# Altium PCB pcb_.PcbDoc (continued)
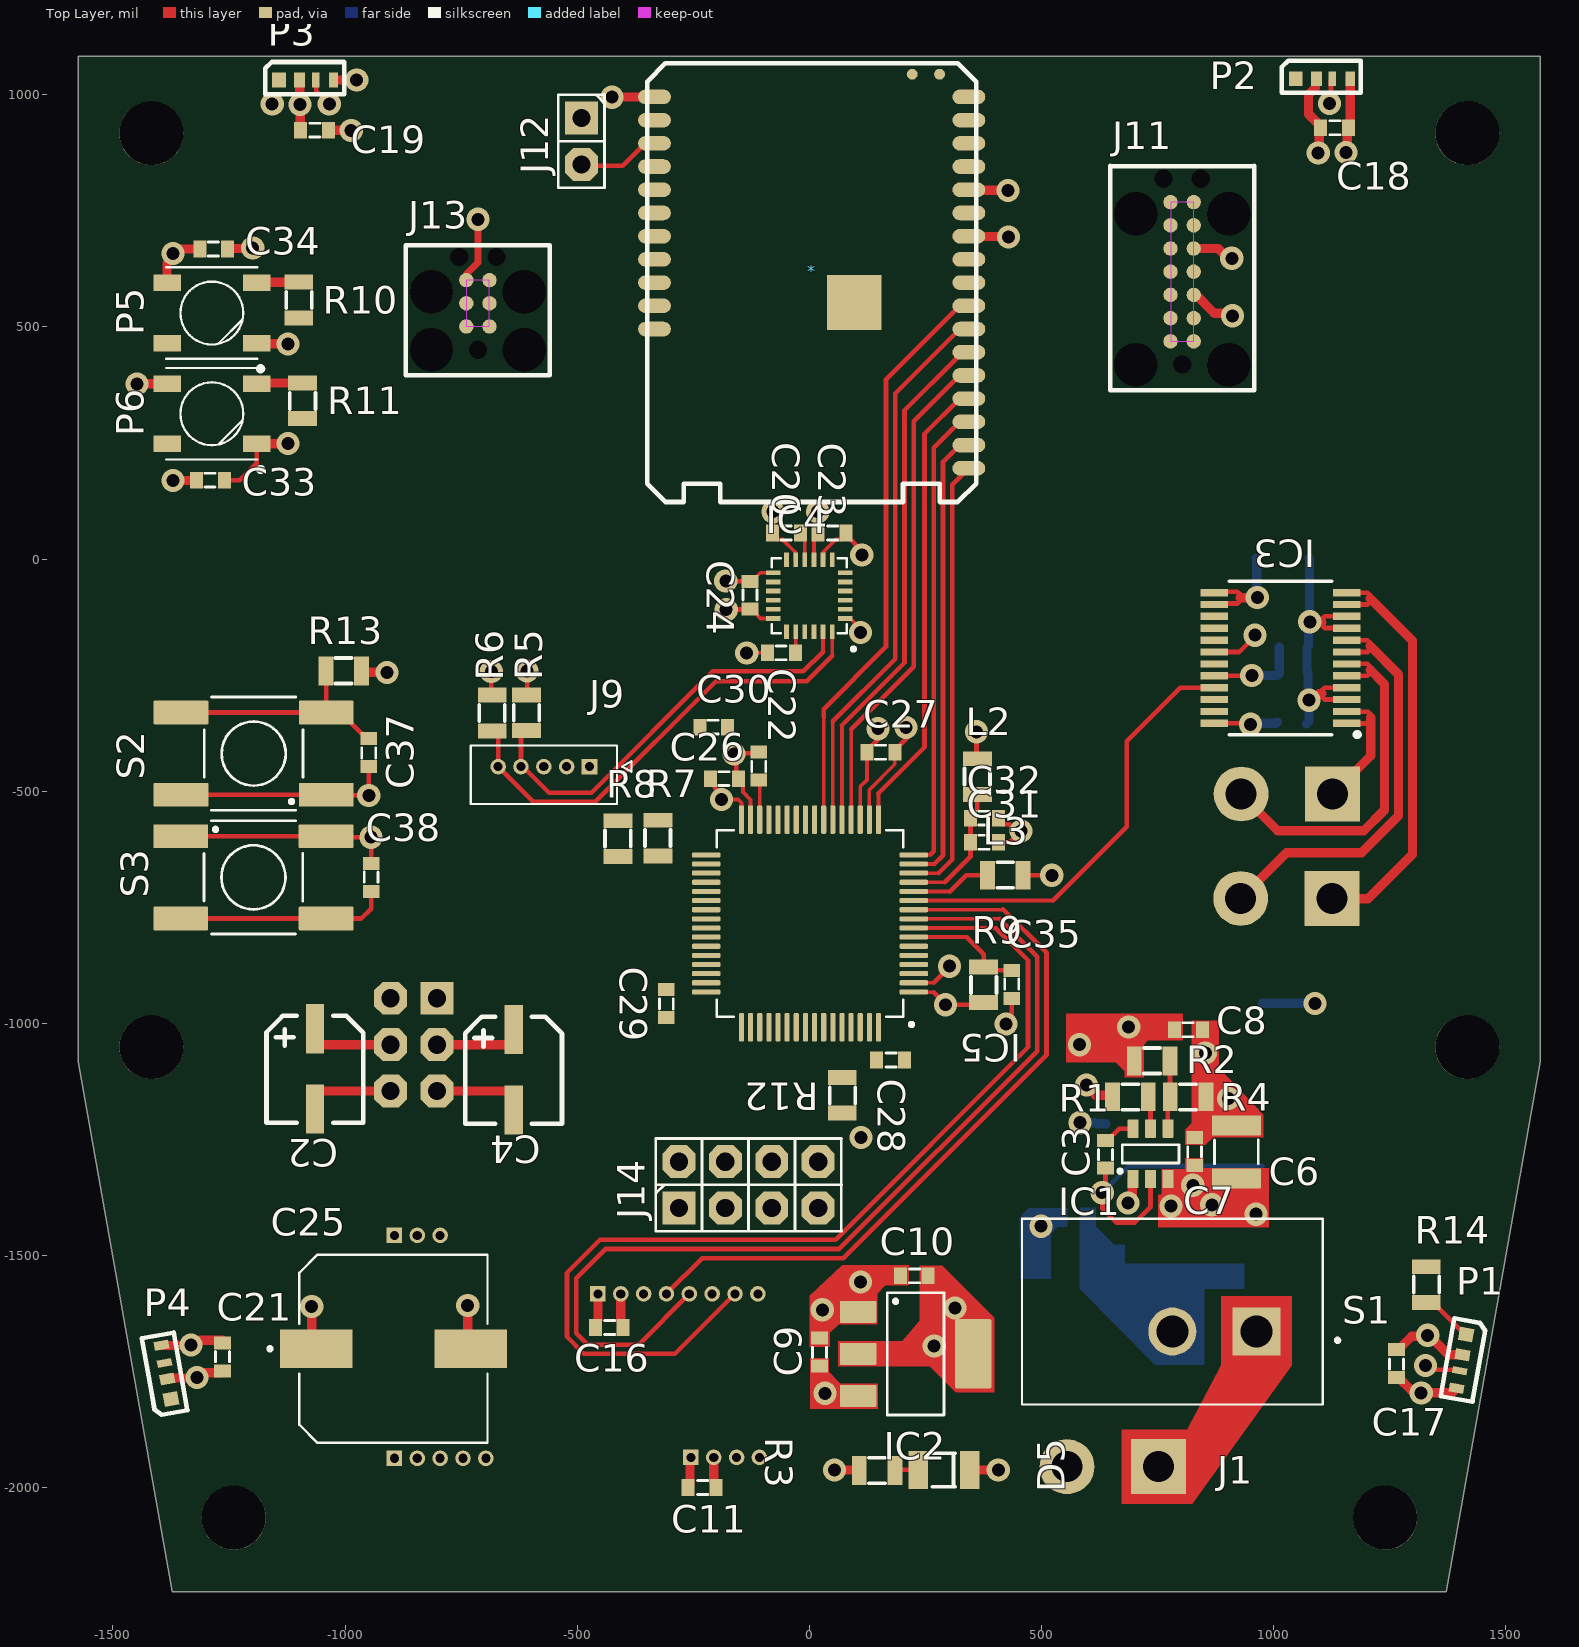
[diagram p0: Top Layer view]
## Footprints (in the part's own frame and the unit in brackets; to place one, negate y for a bottom-side part, rotate by r counter-clockwise, add the part's x,y. Pads: shape width x height; smd on the part's side, far side on the other; paste and mask are expansions set on the pad)
0603 [mil]
  rect 28x36 smd: 1(-30,0) 2(30,0)
  silkscreen extent -12,-15 10,15, body extent -31,-16 32,16, height 12
0805 [mil]
  rect 32x62 smd: 1(-38.5,0) 2(38.5,0)
  silkscreen extent -18,-27 18,28, body extent -39,-25 39,25, height 31
61300621121 [mm]
  rect 1.8x1.8 hole 1: 1(0,0)
  oct 1.8x1.8 hole 1: 2(0,2.54) 3(2.54,0) 4(2.54,2.54) 5(5.08,0) 6(5.08,2.54)
  silkscreen extent -1.27,-1.27 6.35,3.81, body extent -1.27,-1.27 6.35,3.81, height 8.57
61300821121 [mm]
  rect 1.8x1.8 hole 1: 1(0,0)
  oct 1.8x1.8 hole 1: 2(0,2.54) 3(2.54,0) 4(2.54,2.54) 5(5.08,0) 6(5.08,2.54) 7(7.62,0) 8(7.62,2.54)
  silkscreen extent -1.27,-1.27 8.89,3.81, body extent -1.27,-1.27 8.89,3.81, height 9.37
C_1210_A [mm] "Chip Capacitor, 2-Leads, Body 3.20x2.50mm, IPC High Density"
  rrect10% 1.1x2.7 smd: 1(-1.45,0) 2(1.45,0)
  silkscreen extent -0.65,-1.2 0.65,1.2, body extent -1.7,-1.35 1.7,1.35, height 1.35
HA1C470WR [mm] "PCE4190TR-ND"
  rect 1x2.7 smd: 1(0,-2.2) 2(0,2.2)
  silkscreen extent -2.65,-2.9 2.65,2.95, body extent -2.76,-3.28 2.76,3.23, height 6.15
Header1x2_254 [mm]
  rect 1.8x1.8 hole 1: 1(-1.27,0)
  oct 1.8x1.8 hole 1: 2(1.27,0)
  silkscreen extent -2.54,-1.27 2.54,1.27, body extent -2.54,-1.27 2.54,1.27, height 8.54
LED_1206 [mil]
  rect 42x82 smd: A(55.5,0) K(-55.5,0)
  silkscreen extent -25,-36 25,36, body extent -62,-32 64,31, height 43
MPU_6050 [mm]
  rect 0.79x0.26 smd: 1(-1.97,1.25) 2(-1.97,0.75) 3(-1.97,0.25) 4(-1.97,-0.25) 5(-1.97,-0.75) 6(-1.97,-1.25) 13(1.97,-1.25) 14(1.97,-0.75) 15(1.97,-0.25) 16(1.97,0.25) 17(1.97,0.75) 18(1.97,1.25)
  rect 0.26x0.79 smd: 7(-1.25,-1.97) 8(-0.75,-1.97) 9(-0.25,-1.97) 10(0.25,-1.97) 11(0.75,-1.97) 12(1.25,-1.97) 19(1.25,1.97) 20(0.75,1.97) 21(0.25,1.97) 22(-0.25,1.97) 23(-0.75,1.97) 24(-1.25,1.97)
  silkscreen extent -2.51,-2.05 2.05,3.02, body extent -2,-2 2,2, height 0.93
PicoBlade_3_Vertical [mm]
  rect 0.85x0.85 / inner round 0.85 / far side rect 0.85x0.85 hole 0.5 mask+0.076: 1(0,0)
  round 0.85 hole 0.5 mask+0.076: 2(-1.25,0) 3(-2.5,0)
  silkscreen extent -4,-2.05 2.3,1.15, body extent -4.02,-2.11 1.48,1.09, height 4.28
PicoBlade_4_Vertical [mm]
  rect 0.85x0.85 / inner round 0.85 / far side rect 0.85x0.85 hole 0.5 mask+0.076: 1(0,0)
  round 0.85 hole 0.5 mask+0.076: 2(-1.25,0) 3(-2.5,0) 4(-3.75,0)
  silkscreen extent -5.33,-2.05 2.3,1.15, body extent -5.28,-2.03 1.47,1.17, height 4.28
PicoBlade_5_Vertical [mm]
  rect 0.85x0.85 / inner round 0.85 / far side rect 0.85x0.85 hole 0.5 mask+0.076: 1(0,0)
  round 0.85 hole 0.5 mask+0.076: 2(-1.25,0) 3(-2.5,0) 4(-3.75,0) 5(-5,0)
  silkscreen extent -6.5,-2.05 2.3,1.15, body extent -6.54,-2.11 1.46,1.09, height 4.28
PicoBlade_8_Vertical [mm]
  rect 0.85x0.85 / inner round 0.85 / far side rect 0.85x0.85 hole 0.5 mask+0.076: 1(0,0)
  round 0.85 hole 0.5 mask+0.076: 2(-1.25,0) 3(-2.5,0) 4(-3.75,0) 5(-5,0) 6(-6.25,0) 7(-7.5,0) 8(-8.75,0)
  silkscreen extent -10.25,-2.05 2.3,1.15, body extent -10.32,-2.11 1.43,1.09, height 4.28
SK6812B [mm] "SMD size 4020"
  rect 0.5x0.8 smd: 1(-2.979,0)
  rect 0.4x0.8 smd: 2(-1.999,0)
  rect 0.6x0.8 smd: 3(-1.119,0)
  rect 0.75x0.8 smd: 4(0.006,0)
  silkscreen extent -3.56,-0.98 0.76,0.78, body extent -3.4,-0.86 0.6,0.63, height 2
SMA [mm] "SODFL, 2-Leads, Body 2,67x5,10mm"
  rrect10% 1.5x1.7 smd: A(2,0) K(-2,0)
  silkscreen extent -2.22,-1.4 2.22,1.4, body extent -2.6,-1.3 2.6,1.3, height 2.4
SOD-123FL [mm] "SODFL, 2-Leads, Body 1.65x3.60mm, IPC High Density"
  rrect10% 1.25x1.1 smd: A(1.375,0) K(-1.375,0)
  silkscreen extent -1.95,-0.9 1.45,0.9, body extent -1.8,-0.9 1.8,0.9, height 0.98
SOP65P760X160-24N [mm]
  rect 1.5x0.4 smd: 1(-3.625,3.575) 2(-3.625,2.925) 3(-3.625,2.275) 4(-3.625,1.625) 5(-3.625,0.975) 6(-3.625,0.325) 7(-3.625,-0.325) 8(-3.625,-0.975) 9(-3.625,-1.625) 10(-3.625,-2.275) 11(-3.625,-2.925) 12(-3.625,-3.575) 13(3.625,-3.575) 14(3.625,-2.925) 15(3.625,-2.275) 16(3.625,-1.625) 17(3.625,-0.975) 18(3.625,-0.325) 19(3.625,0.325) 20(3.625,0.975) 21(3.625,1.625) 22(3.625,2.275) 23(3.625,2.925) 24(3.625,3.575)
  silkscreen extent -4.32,-4.2 2.8,4.32, body extent -3.8,-4.15 3.8,4.15, height 1.6
SOT23-6 [mm] "SOT23, 6-Leads, Body 3.10x1.75mm, Pitch 0.95mm, IPC Medium Density"
  rrect10% 1x0.6 smd: 1(-1.375,0.95) 2(-1.375,0) 3(-1.375,-0.95) 4(1.375,-0.95) 5(1.375,0) 6(1.375,0.95)
  silkscreen extent -1.05,-1.55 0.5,1.77, body extent -1.5,-1.55 1.5,1.55, height 1.45
SOT223 [mm] "SOT223, 4-Leads, Body 6,50x7,00mm (avg), Pitch 2,30mm"
  rrect10% 2x1.2 smd: D(-3.15,0) G(-3.15,2.3) S(-3.15,-2.3)
  rrect10% 2x3.8 smd: D(3.15,0)
  silkscreen extent -1.55,-3.35 1.55,3.35, body extent -3.5,-3.35 3.5,3.35, height 1.7
SRP1040VA [mm]
  rect 3.5x3.5 smd: 1(-4.45,0) 2(4.45,0)
  silkscreen extent -5.21,-5.08 4.95,4.95, body extent -5.54,-5.08 5.46,4.92, height 3.81
Stamp-S3-SMD [mm]
  rrect100% 1.8x0.8 smd: 1(-8.727,10.033) 2(-8.727,8.763) 3(-8.727,7.493) 4(-8.727,6.223) 5(-8.727,4.953) 6(-8.727,3.683) 7(-8.727,2.413) 8(-8.727,1.143) 9(-8.727,-0.127) 10(-8.727,-1.397) 11(-8.727,-2.667) 12(-8.727,-3.937) 13(-8.727,-5.207) 14(-8.727,-6.477) 15(-8.727,-7.747) 16(-8.727,-9.017) 17(-8.727,-10.287) 18(8.473,-10.287) 19(8.473,-9.017) 20(8.473,-7.747) 21(8.473,-6.477) 22(8.473,-5.207) 23(8.473,-3.937) 24(8.473,-2.667) 25(8.473,-1.397) 26(8.473,-0.127) 27(8.473,1.143) 28(8.473,2.413)
  round 0.6 smd: 29(-7.127,-11.527) 30(-5.627,-11.527)
  rect 3x3 smd: 31(-2.455,0.961)
  silkscreen extent -9.13,-12.13 8.87,11.87, body extent -9.23,-14.07 9.07,12.04, height 4.7
STM32F446RET6 [mm]
  rrect50% 1.56x0.28 smd: 1(-5.715,3.683) 2(-5.715,3.183) 3(-5.715,2.683) 4(-5.715,2.183) 5(-5.715,1.683) 6(-5.715,1.183) 7(-5.715,0.683) 8(-5.715,0.183) 9(-5.715,-0.317) 10(-5.715,-0.817) 11(-5.715,-1.317) 12(-5.715,-1.817) 13(-5.715,-2.317) 14(-5.715,-2.817) 15(-5.715,-3.317) 16(-5.715,-3.817) 33(5.645,-3.817) 34(5.645,-3.317) 35(5.645,-2.817) 36(5.645,-2.317) 37(5.645,-1.817) 38(5.645,-1.317) 39(5.645,-0.817) 40(5.645,-0.317) 41(5.645,0.183) 42(5.645,0.683) 43(5.645,1.183) 44(5.645,1.683) 45(5.645,2.183) 46(5.645,2.683) 47(5.645,3.183) 48(5.645,3.683)
  rrect50% 0.28x1.56 smd: 17(-3.785,-5.747) 18(-3.285,-5.747) 19(-2.785,-5.747) 20(-2.285,-5.747) 21(-1.785,-5.747) 22(-1.285,-5.747) 23(-0.785,-5.747) 24(-0.285,-5.747) 25(0.215,-5.747) 26(0.715,-5.747) 27(1.215,-5.747) 28(1.715,-5.747) 29(2.215,-5.747) 30(2.715,-5.747) 31(3.215,-5.747) 32(3.715,-5.747) 49(3.715,5.613) 50(3.215,5.613) 51(2.715,5.613) 52(2.215,5.613) 53(1.715,5.613) 54(1.215,5.613) 55(0.715,5.613) 56(0.215,5.613) 57(-0.285,5.613) 58(-0.785,5.613) 59(-1.285,5.613) 60(-1.785,5.613) 61(-2.285,5.613) 62(-2.785,5.613) 63(-3.285,5.613) 64(-3.785,5.613)
  silkscreen extent -5.69,-5.17 5.06,5.56, body extent -6,-6 6,6, height 1.63
SW_GF_123_0054 [mm]
  rect 2.625x2.625 hole 1.75: 1(-4.6,1.09)
  round 2.625 hole 1.75: 2(0,1.09)
  silkscreen extent -9.14,-5.08 8.23,5.08, body extent -8.23,-5.08 8.23,5.08, height 14.96
TactileButton-6x6mm [mm]
  rrect10% 3x1.3 smd: 1(-3.975,2.25) 2(3.975,2.25) 3(-3.975,-2.25) 4(3.975,-2.25)
  silkscreen extent -2.7,-3.1 2.7,3.1, body extent -4.63,-3.1 4.37,3.1, height 4.3
TC2030 [mm]
  round 2.3 hole 2.375 unplated: 0(-1.27,3.175) 0(-1.27,-1.905) 0(1.905,3.175) 0(1.905,-1.905)
  round 0.9 hole 0.995 unplated: 0(-1.27,0.635) 0(3.81,-0.381) 0(3.81,1.651)
  round 0.79 smd paste-0.39: 1(0,0) 2(0,1.27) 3(1.27,0) 4(1.27,1.27) 5(2.54,0) 6(2.54,1.27)
  Keep-Out Layer region: 0.001,0 2.541,0 2.541,1.27 0.001,1.27
  silkscreen extent -2.67,-3.3 4.44,4.57
TC2070 [mm]
  round 2.3 hole 2.375 unplated: 0(-1.27,3.175) 0(-1.27,-1.905) 0(6.985,-1.905) 0(6.985,3.175)
  round 0.9 hole 1 unplated: 0(-1.27,0.635) 0(8.89,-0.381) 0(8.89,1.651)
  round 0.79 smd paste-0.39: 1(0,0) 2(1.27,0) 3(2.54,0) 4(3.81,0) 5(5.08,0) 6(6.35,0) 7(7.62,0) 8(7.62,1.27) 9(6.35,1.27) 10(5.08,1.27) 11(3.81,1.27) 12(2.54,1.27) 13(1.27,1.27) 14(0,1.27)
  Keep-Out Layer region: -0.003,0 7.617,0 7.617,1.27 -0.003,1.27
  silkscreen extent -2.67,-3.3 9.6,4.57
UCD1H221MNL1GS [mm]
  rect 3.96x2.12 smd: 1(-4.352,-0.127) 2(4.098,-0.127)
  silkscreen extent -6.98,-5.28 5.02,5.02, body extent -4.65,-4.51 4.65,4, height 10.34
WS2812B_SMD [mm]
  rect 1.5x0.9 smd: 1(2.45,-1.65) 2(2.45,1.65) 3(-2.45,1.65) 4(-2.45,-1.65)
  silkscreen extent -2.79,-2.5 2.5,3.17, body extent -2.7,-2.5 2.7,2.5, height 1.62
XT30PW-UP-F [mm] "XT30 female connector rated up to 15A and 30A peak at 500V"
  rect 3x3 hole 1.7: 1(0,0)
  round 3 hole 1.7: 2(5,0)
  body extent -2.6,-2.6 7.6,2.6, height 9.4
XT30PW-UP-M [mm] "XT30 male connector rated up to 15A and 30A peak at 500V"
  rect 3x3 hole 1.7: 1(0,0)
  round 3 hole 1.7: 2(5,0)
  body extent -2.6,-2.4 7.6,2.8, height 9.4

## Part data
C1 C3 C7 C8 C12 C14 C17 C18 C19 C20 C21 C23 C26 C27 C28 C29 C31 C33 C34 C35 C37 C38: library part C_100nF_0603, Supplier Part Number 1=1276-1012-1-ND, TempKoeff=Y5V, Tolerance=-20%/+80%, Voltage=50V, Part ID=C_100nF_0603, Price 1pc (CHF)=0.1, Supplier 1=Digi-Key
C2 C4 C5: library part C_47uF_ALUM, Supplier Part Number 1=PCE4190TR-ND, Tolerance=20%, Voltage=16V, Part ID=C_47uF_ALUM, Price 1pc (CHF)=0.08, Supplier 1=Digi-Key
C6 C13: library part C_10uF_1210, Supplier Part Number 1=445-7004-1-ND, TempKoeff=X7S, Tolerance=10%, Voltage=50V, Part ID=C_10uF_1210, Price 1pc (CHF)=0.81, Supplier 1=Digi-Key
C9 C10 C11 C15 C16: library part C_10uF_0603, Supplier Part Number 1=490-12317-1-ND, TempKoeff=X5R, Tolerance=10%, Voltage=16V, Part ID=C_10uF_0603, Price 1pc (CHF)=0.40, Supplier 1=Digi-Key
C22: library part C_2200pF_0603, Supplier Part Number 1=399-1085-1-ND, TempKoeff=X7R, Tolerance=10%, Voltage=50V, Part ID=C_2200pF_0603, Price 1pc (CHF)=0.1, Supplier 1=Digi-Key
C24: library part C_10000pF_0603, Supplier Part Number 1=1276-1009-1-ND, TempKoeff=X7R, Tolerance=10%, Voltage=50V, Part ID=C_10000pF_0603, Price 1pc (CHF)=0.10, Supplier 1=Digi-Key
C25: library part C_200u, Supplier Part Number 1=493-6390-1-ND, Supplier 1=Digi-Key
C30 C36: library part C_4_7uF_0603, Supplier Part Number 1=1276-1045-1-ND, TempKoeff=X5R, Tolerance=10%, Voltage=6.3V, Part ID=C_4_7uF_0603, Price 1pc (CHF)=0.1, Supplier 1=Digi-Key
C32: library part C_1uF_0603, Supplier Part Number 1=1276-6617-1-ND, TempKoeff=X7R, Tolerance=10%, Voltage=25V, Part ID=C_1uF_0603, Price 1pc (CHF)=0.29, Supplier 1=Digi-Key
D1 D3 D4: library part D_NTS260ESF, Current=2A, Forward Voltage=650mV@2A, Supplier Part Number 1=NTS260ESFT3GOSCT-ND, Voltage=60V, ComponentLink1Description=Datasheet, ComponentLink1URL=https://www.onsemi.com/pub/Collateral/NTS260ESF-D.PDF, Part ID=D_NTS260ESF, Price 10pcs=0.29, Supplier 1=Digi-Key
D2: library part D_SMAJ12CA, Current=20.1A, Supplier Part Number 1=SMAJ12CA-TPMSCT-ND, Voltage=12V, ComponentLink1Description=Datasheet, ComponentLink1URL=https://www.mccsemi.com/pdf/Products/SMAJ5.0-SMAJ440CA(SMA).pdf, Part ID=D_SMAJ12CA, Price 10pcs=0.39, Supplier 1=Digi-Key
D5: library part LED_GREEN_1206, Supplier Part Number 1=67-1357-1-ND, ComponentLink1Description=Datasheet, ComponentLink1URL=https://media.digikey.com/pdf/Data%20Sheets/Lite-On%20PDFs/LTST-C230KGKT.pdf, Part ID=LED_GREEN_1206, Peak Wavelenght=565nm, Price 10pcs=0.226, Supplier 1=Digi-Key
IC1: library part TPS565208, Current=5A, Frequency=500kHz, Supplier Part Number 1=296-48755-1-ND, Voltage Max=17, Voltage Out=Adj., ComponentLink1Description=Datasheet, ComponentLink1URL=https://www.ti.com/general/docs/suppproductinfo.tsp?distId=10&gotoUrl=https%3A%2F%2Fwww.ti.com%2Flit%2Fgpn%2Ftps565208, Part ID=TPS565208, Price 10pcs=1.1, Supplier 1=Digi-Key
IC2: library part NCP1117LP, "IC NCP1117LP LDO", Current=1A, Supplier Part Number 1=NCP1117LPST33T3GOSCT-ND, Voltage Max=18V, Voltage Out=3.3V, ComponentLink1Description=Datasheet, ComponentLink1URL=https://www.onsemi.com/pdf/datasheet/ncp1117lp-d.pdf, Part ID=NCP1117LP, Price 10pcs=0.34, Supplier 1=Digi-Key
IC3: Supplier Part Number 1=TB6612FNG,C,8,EL, ComponentLink1Description=Datasheet, ComponentLink1URL=https://toshiba.semicon-storage.com/info/TB6612FNG_datasheet_en_20141001.pdf?did=10660&prodName=TB6612FNG, Supplier 1="Arrow Electronics"
IC5: Supplier Part Number 1=511-STM32F446RET6, Supplier 1=Mouser
J2 J14: Supplier Part Number 1=8281522P, Supplier 1=Rs
J3 J9: Supplier Part Number 1=538-53047-0510, Supplier 1=Mouser
J6: Supplier Part Number 1=538-53047-0410, Supplier 1=Mouser
J7: Supplier Part Number 1=538-53047-0810, Supplier 1=Mouser
J8: Supplier Part Number 1=538-53047-0310, Supplier 1=Mouser
J12: library part Header_2, Supplier Part Number 1=732-5315-ND, ComponentLink1Description=Datasheet, ComponentLink1URL=https://katalog.we-online.de/em/datasheet/6130xx11121.pdf, Part ID=Header_2, Price 1pc (CHF)=0.13, Supplier 1=Digi-Key
L1: library part L_4.7uH_13A, Current=13A, Supplier Part Number 1=118-SRP1040VA-4R7MCT-ND, Tolerance=20%, ComponentLink1Description=Datasheet, ComponentLink1URL=https://www.bourns.com/docs/product-datasheets/srp1040va.pdf, Part ID=L_4.7uH_13A, Price 1pc (CHF)=2.03, Size="11mm x 10mm x 4mm", Supplier 1=Digi-Key
L2 L3: library part L_Ferrit_Bead, Current=2A, Supplier Part Number 1=732-1620-1-ND, ComponentLink1Description=Datasheet, ComponentLink1URL=https://katalog.we-online.de/pbs/datasheet/742792040.pdf, Part ID=L_Ferrit_Bead, Price 1pc (CHF)=0.22, Supplier 1=Digi-Key
P1 P2 P3 P4: "Angled", ComponentLink1Description=Supplier, ComponentLink1URL=https://www.digikey.ch/en/products/detail/adafruit-industries-llc/4691/13170955
R1 R4 R9 R12 R13: library part R_10k_0805, Power Dissipation=125mW, Supplier Part Number 1=311-10.0KCRCT-ND, Tolerance=1%, Part ID=R_10k_0805, Price 10pcs (CHF)=0.021, Supplier 1=Digi-Key
R2: library part R_56k_0805, Power Dissipation=125mW, Supplier Part Number 1=311-56.0KCRCT-ND, Tolerance=1%, Part ID=R_56k_0805, Price 10pcs (CHF)=0.045, Supplier 1=Digi-Key
R3: library part R_47k_0805, Power Dissipation=125mW, Supplier Part Number 1=A106064CT-ND, Tolerance=1%, Part ID=R_47k_0805, Price 10pcs (CHF)=0.09, Supplier 1=Digi-Key
R5 R6: library part R_1k5_0805, Power Dissipation=250mW, Supplier Part Number 1=RNCP0805FTD1K50CT-ND, Tolerance=1%, Part ID=R_1k5_0805, Price 10pcs (CHF)=0.072, Supplier 1=Digi-Key
R7 R8: library part R_1k_0805, Power Dissipation=125mW, Supplier Part Number 1=311-1.00KCRCT-ND, Tolerance=1%, Part ID=R_1k_0805, Price 10pcs (CHF)=0.021, Supplier 1=Digi-Key
R10 R11 R14: library part R_220R_0805, Power Dissipation=125mW, Supplier Part Number 1=A129741CT-ND, Tolerance=1%, Part ID=R_220R_0805, Price 10pcs (CHF)=0.052, Supplier 1=Digi-Key
S1: library part Slide_Switch, Current=8.5A, Supplier Part Number 1=CWI333-ND, Voltage=125V, ComponentLink1Description=Datasheet, ComponentLink1URL=https://media.digikey.com/pdf/Data%20Sheets/CW%20Industries%20PDFs/GF-123-0054_Dwg.pdf, Dimension=10mmx16.5mmx8.8mm, Part ID=Slide_Switch, Price 1pc (CHF)=1.17, Supplier 1=Digi-Key
S2 S3: Current=50mA, Supplier Part Number 1=679-2380-1-ND, Voltage=12V, ComponentLink1Description=Datasheet, ComponentLink1URL=https://media.digikey.com/pdf/Data%20Sheets/APEM%20Components%20PDFs/ADTS6,%20ADTSM,%20AKTSC6%20Series.pdf, Dimension=6.2mmx6.2mmx4.3mm, Part ID=TactileButton, Price 1pc (CHF)=0.59, Supplier 1=Digi-Key
P5 P6: ComponentLink1Description=Datasheet, ComponentLink1URL=http://cdn.sparkfun.com/datasheets/BreakoutBoards/WS2812B.pdf

## Free pads (board coordinates)
  round 137.8 hole 137.8 unplated: 0(-1417.32,-1051.18) 0(-1417.32,917.32) 0(-1240.12,-2064.96) 0(1240.34,-2064.96) 0(1417.32,-1051.18) 0(1417.32,917.32)

## Via types
v1: diameter 50, hole 28, Top Layer to Bottom Layer, 77 vias

## Nets (pads, with @x,y where several pads share a name; then routed paths per layer and width w, separated by ;. In a path a pad name is that pad's centre, name@x,y a point inside that pad or via, vN(x,y) a via of type N, cw(c..) or ccw(c..) an arc to the next point about the centre after c; other vN are vias at no path point)
3.3VDC: C10.1 C23.1 C24.1 C25.1 C26.1 C27.1 C28.1 C29.1 C30.1 IC2.D IC4.8 IC4.13 IC5.1 IC5.19 IC5.32 IC5.48 IC5.64 J3.1 J9.2 J11.3 L2.2 R5.2 R6.2 R7.2 R8.2 R9.2 R13.2 | length 1428
  Top Layer w8: v1(-189.51,-517.8) -153.2,-517.8 -146.26,-524.74 IC5.32 ; C24.1 -124,-48 -105.53,-29.53 IC4.13 ; IC4.8 30.65,-0.06 30.65,15.96 38.69,24 38.8,24 56.8,42 69,42 79,52 C23.1 ; IC5.19 109.65,-490.15 124,-475.8 C27.1 ; v1(113,9) v1@113,18 ; IC5.1 225.6,-933 268,-933
  Top Layer w10: R6.2@-685,-291 v1(-685,-242) ; R5.2@-608,-291.5 v1(-608,-241) ; C26.1 -204,-482 -204,-492.49 -189.51,-506.98 v1(-189.51,-517.8) ; v1(-180,-47) -179.5,-47.5 -128.5,-47.5 C24.1 ; C23.1@79,52 v1@113,18 ; C27.1 124,-412 147.06,-388.94 147.06,-366.36 v1(148.05,-365.37) ; 268,-933 293,-958 v1(293,-960) 370.5,-960 R9.2 ; v1(360,-372) 360,-428 L2.2
  Top Layer w20: v1(-1072,-1610) -1072,-1691.34 C25.1 ; R13.2 -961.5,-244 v1(-910,-244) ; R6.2@-685,-291 R6.2 ; R5.2 R5.2@-608,-291.5 ; J11.3 833.13,569 872.32,529.81 905.63,529.81 v1(911.37,524.07)
  Layer 2 w20: -947,-1937 J3.1@-893.95,-1937 ; J3.1@-893.98,-1932.4 J3.1@-893.95,-1937 ; -893.7,-1976 J3.1@-893.95,-1937 ; -892,-1878 -893.78,-1890.45 ccw(c-873.98,-1893.27) -893.98,-1893.39 J3.1 J3.1@-893.95,-1937 ; -525,-394 -522.79,-396.21 J9.2 -522.79,-483.52 -523,-483.73 -523,-483.52
  other v1: 269,-1695 314,-1613
5VDC: *.13 C2.1 C4.1 C5.1 C8.1 C9.1 C11.2 C14.1 C15.1 C16.2 C17.1 C18.1 C19.1 C21.1 C33.1 C34.1 IC2.S IC3.20 J2.3 J2.4 J6.1 J7.1 J8.1 J9.1 L1.2 P1.1 P2.1 P3.1 P4.1 P5.1 P6.1 R2.1 R3.2 | length 2449.2
  Top Layer w10: IC3.20 872.48,-251.19 952.81,-251.19 v1(953,-251)
  Top Layer w20: v1(-1448,377) -1447.52,377.48 -1383.94,377.48 P6.1 ; P4.1 -1332.91,-1693.91 v1(-1332,-1693) -1323.88,-1693 -1313.38,-1682.5 -1272,-1682.5 -1271.5,-1682 C21.1@-1264,-1682 ; P5.1 -1383.46,637.43 -1371,649.88 v1(-1371,658) -1362.88,658 -1352.88,668 C34.1 ; v1(-1371,169) -1370.5,169.5 -1320.5,169.5 C33.1 ; C2.1@-1064.5,-1010.89 C2.1 -1065,-1036.31 -1055.31,-1046 J2.4 ; C19.1 -1035.5,923.5 -987.5,923.5 v1(-987,923) ; P3.1 v1(-975,1032) ; J2.3 -646.69,-1046 -637,-1036.31 C4.1 C4.1@-636,-1012.39 ; C16.2@-461,-1649 -461,-1645 -455.43,-1639.43 J7.1 ; C11.2@-259,-1998 -257.11,-1996.11 -257.11,-1936.89 J6.1 ; v1(54,-1962) 106.5,-1962 R3.2 ; *.13 344.36,794.78 427.22,794.78 v1(428,794) ; v1(1156,876) 1158.5,878.5 1158.5,926.5 C18.1 1161,933 1165,937 1165,948.49 1165.23,948.72 P2.1 ; C17.1 1269,-1763 1296.37,-1790.37 1312.24,-1790.37 v1(1317.98,-1796.11) ; v1@1318,-1796 1384.25,-1796 P1.1
  Layer 2 w20: -969.7,-1456.69 J8.1 ; -895,-1399 -893.7,-1400.3 J8.1 ; -892,-1518 -893.7,-1516.3 J8.1 ; -611,-1583 J7.1@-455.73,-1583 ; -455.43,-1645 J7.1 -455.43,-1519 ; -308,-1935 J6.1 -255.21,-1883.57 ; -254,-1984 J6.1@-254,-1936.21
  Bottom Layer w20: v1(582,-1046) 636.39,-1046 C5.1 ; v1(953,-251) 1003,-251 1004,-250 1008,-250 1012,-246 C14.1 C15.1 ; L1.2 976.2,-957 v1(1089,-957)
  other v1: 34,-1797 688,-1008
12VDC: C6.1 C7.1 C12.1 C13.1 D1.K D3.K D4.K IC1.3 IC3.13 IC3.14 IC3.24 R1.2 | length 460.9
  Top Layer w10: IC3.24 947.75,-353.75 v1(950,-356) ; IC3.14 874.33,-95.8 922.09,-95.8 927.95,-89.94 927.95,-83 927.95,-76.06 922.09,-70.2 874.33,-70.2 IC3.13
  Top Layer w20: v1(597,-1133) 597,-1135 617,-1155 650,-1155 R1.2 ; 927.95,-83 v1(965,-83)
  Bottom Layer w20: v1(950,-356) 952.5,-353.5 1005.5,-353.5 C12.1@1008,-351 ; C13.1 963.96,0.96 963.96,-81.96 v1(965,-83)
  other v1: 962,-1411.09 779,-1394 867,-1391 826,-1349
ESP32_ERROR: *.2 IC5.15 | length 988.9
  Top Layer w8: IC5.15 269.19,-656.81
  Top Layer w10: 269.19,-656.81 288,-638 288,209.65 323.9,245.55 *.2
ESP32_OK: *.1 IC5.14 | length 952.6
  Top Layer w8: IC5.14 278.35,-676.5 278.66,-676.18
  Top Layer w10: 278.66,-676.18 278.98,-676.18 308,-647.16 308,159.97 *.1
ESP32_RES1: *.3 IC5.16 | length 1014.2
  Top Layer w8: IC5.16 260.59,-637.13
  Top Layer w10: 260.59,-637.13 268,-629.72 268,239.65 323.9,295.55 *.3
ESP32_RES2: *.4 IC5.17 | length 998.8
  Top Layer w8: IC5.17 149.02,-504.98
  Top Layer w10: 149.02,-504.98 149.02,-504.2 248,-405.21 248,269.65 323.9,345.55 *.4
ESP32_RES3: *.9 IC5.41
ESP32_RESET: IC5.44 J12.1
ESP32_SPI_CLK: *.6 IC5.21 | length 1128
  Top Layer w8: IC5.21 70.28,-358.29
  Top Layer w10: 70.28,-358.29 205,-223.57 205,320.14 315.41,430.55 315.41,431.25 329.71,445.55 *.6
ESP32_SPI_CS: *.5 IC5.20 | length 1073.3
  Top Layer w8: IC5.20 89.96,-366.89 90.39,-366.47
  Top Layer w10: 90.39,-366.47 225,-231.85 225,296.65 323.9,395.55 *.5
ESP32_SPI_MISO: *.7 IC5.22 | length 1189.6
  Top Layer w8: IC5.22 50.57,-349.72
  Top Layer w10: 50.57,-349.72 185,-215.28 185,356.65 323.9,495.55 *.7
ESP32_SPI_MOSI: *.8 IC5.23 | length 1247.9
  Top Layer w8: IC5.23 30.91,-341.09
  Top Layer w10: IC5.23 IC5.23@31,-561.05 ; 30.91,-341.09 30.91,-323.3 165,-189.21 165,386.65 323.9,545.55 *.8
GND: *.11 *.18 C1.2 C2.2 C4.2 C5.2 C6.2 C7.2 C8.2 C9.2 C10.2 C11.1 C12.2 C13.2 C14.2 C15.2 C16.1 C17.2 C18.2 C19.2 C20.1 C21.2 C22.1 C23.2 C24.2 C25.2 C26.2 C27.2 C28.2 C29.2 C30.2 C31.2 C32.2 C33.2 C34.2 C35.2 C36.2 C37.1 C38.1 D2.A D5.K IC1.1 IC2.G IC3.3 IC3.4 IC3.9 IC3.10 IC3.18 IC4.1 IC4.9 IC4.11 IC4.18 IC5.18 IC5.31 IC5.47 IC5.63 J1.2 J2.5 J2.6 J3.2 J3.5 J6.2 J7.2 J8.3 J9.3 J11.5 J11.7 J13.6 J14.2 J14.4 J14.6 J14.8 L3.2 P1.3 P2.3 P3.3 P4.3 P5.3 P6.3 R4.1 R12.2 S2.1 S2.2 S3.1 S3.2 | length 7267.1
  Top Layer w8: C26.2 -143,-483 -143,-502 -126.57,-518.43 IC5.31 ; v1(-135,-202) C22.1 ; C24.2 -124,-108 -114,-118 -114,-119.06 -105.11,-127.95 IC4.18 ; C20.1@-82,56 -78,60 v1(-78,102) ; C20.1 -79,52 -69,42 -57.58,42 -31.43,15.85 -30.65,15.06 -30.65,-0.06 IC4.11 ; IC4.9 9.84,46.84 C23.2 18,57 v1(18,102) ; IC4.1 87.99,-127.95 110,-149.96 v1(110,-158) ; IC5.18 129.33,-496.67 184,-442 C27.2
  Top Layer w10: S3.1 S3.2 -1039.01,-599 v1(-944,-599) C38.1 ; S2.2 S2.1 -1039.09,-509 v1(-949,-509) C37.1 ; C33.2 -1227.12,170 -1190.54,206.58 P6.3 ; v1(-179,-109) -178.5,-108.5 -128.5,-108.5 C24.2 ; C26.2 -157.5,-468.5 -157.5,-424.5 v1(-162,-420) -160,-418 -111,-418 C36.2 ; C27.2 184,-412 211.35,-384.65 211.35,-366.35 v1(208,-363) ; C31.2 432,-610 v1(456,-586) 445.18,-586 430.18,-571 416,-571 407,-562 C32.2 ; v1(423.91,-1001.57) 423.91,-990.74 436,-978.66 C35.2 ; L3.2 460.72,-681.22 v1(522.22,-681.22) ; IC3.18 872.39,-200.1 926.14,-200.1 960,-166.24 v1(960,-164) ; IC3.3@1154.28,-302.39 1109.76,-302.39 1103.9,-296.53 1103.9,-289.59 1103.9,-282.65 1109.76,-276.8 IC3.4@1154.28,-276.8 ; IC3.9@1154.53,-148.59 1110,-148.59 1104.14,-142.73 1104.14,-135.8 1104.14,-128.86 1110,-123 IC3.10@1154.53,-123
  Top Layer w15: J13.6 -739,613.91 -738.64,613.91 -714,638.55 v1(-714,732)
  Top Layer w20: P4.3 -1381.15,-1764.15 -1320.15,-1764.15 v1(-1319,-1763) -1310.88,-1763 -1300.88,-1753 -1268,-1753 C21.2 ; C34.2 -1252,669 -1200,669 v1(-1199,670) ; P6.3 -1190.06,248.52 -1123.48,248.52 v1(-1123,249) ; P5.3 -1189.52,464.02 -1124.02,464.02 v1(-1123,463) ; P3.3 -1097.47,1031.53 -1097.47,979.47 v1(-1097,979) -1096.5,978.5 -1096.5,924.5 C19.2 ; C2.2@-1065.5,-1185.11 C2.2 -1065,-1155.69 -1055.31,-1146 J2.6 ; J2.5 -646.69,-1146 -637,-1155.69 C4.2 C4.2@-634.5,-1189.11 ; v1(-736,-1608) -736,-1694.66 C25.2 ; v1(-425,995) -424.72,995.28 -333.86,995.28 *.18 ; J7.2 -406.21,-1639.79 -400,-1646 C16.1@-400,-1650 ; J6.2 -206,-1987 -199,-1994 C11.1@-199,-1998 ; *.11 344.36,694.78 428.22,694.78 v1(429,694) ; D5.K v1(407,-1962) ; v1(686.71,-1386.75) 686.71,-1378.63 695.79,-1369.55 695.79,-1336.94 IC1.1 ; J11.5 880.88,669 901.88,648 v1(910,648) ; v1(1076,-304) 1084.12,-304 1098.53,-289.59 1103.9,-289.59 ; v1(1078,-135) 1078.8,-135.8 1104.14,-135.8 ; P2.3 1090.19,1033.19 1090.19,1015.21 1075.23,1000.25 1075.23,958.77 1101,933 C18.2 1098.5,926.5 1098.5,877.5 v1(1096,875) ; C17.2 1269,-1699 1273,-1699 1297.92,-1674.08 1329.92,-1674.08 v1(1332,-1672) ; v1@1332,-1678 1340.56,-1678 1376.56,-1714 P1.3
  Layer 1 w20: -967,-1146 J2.6@-906.15,-1146 ; -901,-1207 -901,-1146.15 J2.5@-801,-1146.15 ; -844.64,-1996 J3.2@-844.64,-1937.15 ; J3.2 -844.49,-1869.15 ; -801,-1206 J2.5@-801,-1146.15 ; J2.5@-801,-1145.15 J2.5@-801,-1146.15 ; J8.3@-797,-1456 J8.3@-795.28,-1456 ; -793,-1516 -795.28,-1513.72 J8.3 J8.3@-795.28,-1456 ; -792,-1380 -795.28,-1383.28 J8.3@-795.28,-1456 ; -736,-1456 J8.3@-795.28,-1456 ; -697,-2003 J3.5@-697,-1942.15 ; -696.85,-1876.15 J3.5 -636,-1937 -634,-1935 ; -658,-1146.15 J2.5@-801,-1146.15 ; -574,-512 -572,-510 J9.3 -572,-385 -571,-384 ; -406,-1666 -406.21,-1665.79 J7.2 -406.21,-1519.21 -403,-1516 ; -389,-1299 -388,-1298 J14.2 -281,-1212 -278,-1209 ; -208,-1873 -206,-1875 J6.2 -206,-1990 -204,-1992 ; J14.4 -181,-1215 -178,-1212 ; J14.6 -81,-1211 -80,-1210 ; 18,-1201 19,-1202 J14.8 103,-1298 108,-1293
  Layer 1 w40: 455,-1955 J1.2 ; 555,-2068 J1.2 ; 555,-1841 J1.2 ; 641,-1955 J1.2
  Bottom Layer w20: v1(583,-1214) 615.39,-1214 618,-1216.61 C5.2 ; C12.2@1071,-355 1076.5,-349.5 1076.5,-304.5 v1(1076,-304) 1074,-302 1074,-244 C14.2 C15.2 1075,-187 1075,-138 v1(1078,-135) 1077.54,-134.54 1077.54,1.54 C13.2
  other v1: 28,-1617 110,-1557 499,-1437 111,-1246 903,-1162 853,-1064
ISP_3V3: *.28 J13.1
ISP_BOOT: *.20 J12.2 J13.5 | length 177.5
  Top Layer w10: J12.2@-491,847 -401.82,847 -353.27,895.55 *.20
ISP_RST: *.22 J13.4
ISP_RXD: *.26 J13.2
ISP_TXD: *.24 J13.3
LED_PIXEL_STATE_VFS: IC5.50 R11.2
Net*_10: *.10 R10.2
NetC1_1: C1.1 D1.A D2.K D3.A D4.A S1.2
NetC3_1: C3.1 IC1.2 L1.1 | length 649.5
  Top Layer w10: v1(630.85,-1364.85) v1@631.35,-1364.35 ; C3.1 638,-1357.7 v1@631.35,-1364.35 ; IC1.2 735,-1395.02 701.02,-1429 661.43,-1429 631.43,-1399 631.43,-1364.43 v1@631.35,-1364.35
  Bottom Layer w10: v1(630.85,-1364.85) 688.5,-1307.2 L1.1
NetC3_2: C3.2 IC1.6 | length 70
  Top Layer w10: C3.2 642,-1252 667.13,-1226.87 IC1.6
NetC20_2: C20.2 IC4.10 | length 61
  Top Layer w8: C20.2 -9.84,46.84 IC4.10
NetC22_2: C22.2 IC4.20 | length 45.9
  Top Layer w8: C22.2 -29.53,-201.53 IC4.20
NetC31_1: C31.1 C32.1 IC5.13 L2.1 | length 285.1
  Top Layer w8: IC5.13 291.82,-696.18
  Top Layer w10: 291.82,-696.18 347,-641 C31.1 C32.1 347,-554 362,-539 L2.1
NetC36_1: C36.1 IC5.30 | length 86
  Top Layer w8: C36.1 -106.89,-478.11 IC5.30
NetD5_A: D5.A R3.1 | length 50.4
  Top Layer w10: R3.1 185.5,-1962 D5.A
NetIC1_4: IC1.4 R2.2 R4.2 | length 148.2
  Top Layer w10: IC1.4 772.4,-1163.1 R4.2 777,-1157.5 R2.2
NetIC1_5: IC1.5 R1.1 | length 70.9
  Top Layer w10: R1.1 735,-1163 IC1.5
NetIC3_1: IC3.1 IC3.2 J4.1 | length 311.2
  Top Layer w10: IC3.1@1158.72,-354.2 1203.24,-354.2 1209.1,-348.35 ; IC3.2@1158.72,-328.61 1203.24,-328.61 1209.1,-334.47 1209.1,-341.41
  Top Layer w20: J4.1 1209.1,-423.9 1209.1,-348.35 1209.1,-341.41
NetIC3_5: IC3.5 IC3.6 J4.2 | length 794.3
  Top Layer w10: IC3.5 1202.24,-251.39 1208.1,-245.53 1208.1,-238.59 1208.1,-231.65 1202.24,-225.8 IC3.6
  Top Layer w20: J4.2 1009.2,-585.06 1194.34,-585.06 1239.1,-540.29 1239.1,-269.59 1208.1,-238.59
NetIC3_7: IC3.7 IC3.8 J5.2 | length 923.9
  Top Layer w10: IC3.7 1202.24,-200.2 1208.1,-194.35 1208.1,-187.41 1208.1,-180.47 1202.24,-174.61 IC3.8
  Top Layer w20: J5.2 1027.68,-632.47 1189.35,-632.47 1269.1,-552.72 1269.1,-248.41 1208.1,-187.41
NetIC3_11: IC3.11 IC3.12 J5.1 | length 921.1
  Top Layer w10: IC3.11 1202.24,-97.84 1208.1,-91.98 1208.1,-85.05 1208.1,-78.11 1202.24,-72.25 IC3.12
  Top Layer w20: J5.1 1126.66,-731.66 1203.34,-731.66 1299.1,-635.9 1299.1,-176.05 1208.1,-85.05
NetIC3_15: IC3.15 IC5.57
NetIC3_16: IC3.16 IC5.40
NetIC3_17: IC3.17 IC5.39
NetIC3_19: IC3.19 IC5.25
NetIC3_21: IC3.21 IC5.11 | length 945
  Top Layer w8: IC5.11 524.45,-735.55
  Top Layer w10: 524.45,-735.55 683.53,-576.47 683.53,-392.47 799.02,-276.98 IC3.21
NetIC3_22: IC3.22 IC5.24
NetIC3_23: IC3.23 IC5.56
NetIC4_12: IC4.12 IC5.2 | length 92.6
  Top Layer w8: IC5.2 267.71,-912.72
  Top Layer w10: 267.71,-912.72 302,-878.43 v1(302,-877)
NetIC4_23: IC4.23 IC5.61 J9.4 R5.1 | length 926.1
  Top Layer w8: 29.53,-199.47 IC4.23
  Top Layer w10: R5.1 -610.21,-369.5 -621.21,-380.5 J9.4 -616.88,-447 -560.88,-503 -469.28,-503 -208.28,-242 -13,-242 29.53,-199.47
NetIC4_24: IC4.24 IC5.62 J9.5 R6.1 | length 1016.5
  Top Layer w8: 49.21,-208.07 IC4.24
  Top Layer w10: R6.1 -681.43,-370 -670.43,-381 J9.5 -594.43,-523 -461,-523 -201,-263 -5.72,-263 49.21,-208.07
NetIC5_8: IC5.8 J7.7 | length 2225
  Top Layer w8: IC5.8 401.04,-794.61 402.32,-795.89
  Top Layer w10: J7.7 -289.46,-1712 -485.5,-1712 -522,-1675.5 -522,-1537 -451,-1466 56.43,-1466 471,-1051.43 471,-864.57 402.32,-795.89
NetIC5_9: IC5.9 J7.5 | length 2116
  Top Layer w8: IC5.9 409.64,-774.92
  Top Layer w10: J7.5 -367.88,-1692 -477.21,-1692 -502,-1667.21 -502,-1549 -439,-1486 64.72,-1486 491,-1059.72 491,-856.28 409.64,-774.92
NetIC5_10: IC5.10 J7.4 | length 1576.6
  Top Layer w8: IC5.10 416.93,-755.19 417.25,-754.88
  Top Layer w10: J7.4 -231.09,-1506 73,-1506 511,-1068 511,-848 417.88,-754.88 417.25,-754.88
NetIC5_12: IC5.12 L3.1 | length 173.2
  Top Layer w8: IC5.12@225.31,-716.18 302.82,-716.18
  Top Layer w10: IC5.12 IC5.12@225.31,-716.18 ; 302.82,-716.18 338,-681 L3.1
NetIC5_29: IC5.29 R14.1
NetIC5_33: IC5.33 J7.3
NetIC5_34: IC5.34 J7.6
NetIC5_37: IC5.37 J6.3
NetIC5_38: IC5.38 J6.4
NetIC5_51: IC5.51 J3.3 R7.1
NetIC5_52: IC5.52 J3.4 R8.1
NetIC5_53: IC5.53 J7.8
NetIC5_58: IC5.58 J2.1
NetIC5_59: IC5.59 J2.2
NetIC5_60: IC5.60 R12.1
NetJ1_1: J1.1 S1.1 | length 11.6
  Top Layer w40: J1.1 J1.1@757.85,-1949
  Layer 2 w20: S1.1@960,-1663.91 S1.1
NetJ8_2: J8.2 P6.2
NetP1_2: P1.2 P2.4 | length 78.4
  Top Layer w10: v1(1327.18,-1736.82) 1338,-1736.82 1347.04,-1745.85 1398.67,-1745.85 P1.2
NetP1_4: P1.4 R14.2 | length 114.3
  Top Layer w10: R14.2 1344,-1601.5 1412.9,-1670.4 P1.4
NetP2_2: P2.2 P3.4 | length 56.1
  Top Layer w10: v1(1120.23,981.61) 1123.77,985.15 1123.77,1032.13 P2.2
  other v1: -1157,980
NetP3_2: P3.2 P4.4 | length 64.1
  Top Layer w10: P3.2 -1062.28,1030.99 -1062.28,1008.28 v1(-1034,980)
NetP5_4: P5.4 R10.1 | length 90.6
  Top Layer w20: P5.4 -1171.02,596.14 -1121,596.14 R10.1
NetP6_4: P6.4 R11.1 | length 98.6
  Top Layer w20: P6.4 -1171.02,379.17 -1113,379.17 R11.1
STM32_DBG_NRST: C35.1 C38.2 IC5.7 J11.12 R9.1 S3.3 S3.4 | length 712
  Top Layer w8: IC5.7 339.29,-814.29 ; R9.1@376,-877.5 R9.1@384.5,-886
  Top Layer w10: S3.3 S3.4 -965.17,-774.17 -944,-753 C38.2 ; 339.29,-814.29 376,-851 R9.1@376,-877.5 ; R9.1@384.5,-886 C35.1
STM32_DBG_RX: IC5.42 J11.13
STM32_DBG_SWCLK: IC5.49 J11.6
STM32_DBG_SWDIO: IC5.46 J11.4
STM32_DBG_SWO: IC5.55 J11.8
STM32_DBG_TX: IC5.43 J11.14
USR_BUTTON: C37.2 IC5.36 R13.1 S2.3 S2.4 | length 519.3
  Top Layer w10: S2.4 S2.3 ; R13.1 -1040.5,-242 S2.3 ; C37.2 -953,-387 -986.45,-353.55 -986.45,-351.01 -1007.04,-330.42 S2.3
USR_CONFIG1: IC5.26 J14.1
USR_CONFIG2: IC5.27 J14.3
USR_CONFIG3: IC5.28 J14.5
USR_CONFIG4: IC5.35 J14.7
pads on no net: *.12 *.14 *.15 *.16 *.17 *.19 *.21 *.23 *.25 *.27 *.29 *.30 *.31 IC4.2 IC4.3 IC4.4 IC4.5 IC4.6 IC4.7 IC4.14 IC4.15 IC4.16 IC4.17 IC4.19 IC4.21 IC4.22 IC5.3 IC5.4 IC5.5 IC5.6 IC5.45 IC5.54 J11.0 J11.1 J11.2 J11.9 J11.10 J11.11 J13.0 P4.2 P5.2

## Polygon pours and split planes (outlines as drawn)
5VDC on Layer 2 "5VDC_L03_P014" (solid, remove dead copper, pour order 14): -1574.69,1082.79 1574.91,1082.79 1574.91,-1082.57 1372.34,-2224.3 -1372.12,-2224.3 -1574.69,-1082.57
3.3VDC on Layer 2 "3.3VDC_L03_P012" (solid, remove dead copper, pour order 12): -424,-2016 -424,-1928 -88.75,-1748 370,-1748 370,-535.84 429.16,-535.84 426.98,-441.32 426.98,-85 893.57,256 1050,256 1050,643 850,643 850,376.46 334.53,50.47 -1020,50.47 -1020,-59 -1020,-415 -235,-1200 -235,-1691 -943.13,-1691 -1001.47,-1561 -1145,-1561 -1145,-1758 -1038.83,-1758 -932.53,-2016
12VDC on Layer 2 "12VDC_L03_P011" (solid, remove dead copper, pour order 11): 1018,2.12 1018,-411 835,-411 835,-1291 1001,-1291 1001,-1471 550,-1471 550,-1098 660,-1098 661.84,-411 835,2.12
GND on Layer 1 "GND_L02_P000" (solid, remove dead copper, pour order 0): -1574.13,-1082 -1574.13,1082.22 1575,1083 1575,-1082 1372.34,-2224.3 -1372.12,-2224.3

## Other copper
Top Layer:
  region net 5VDC: 804,-1037 804,-979 553,-979 553,-1084 660,-1084 679,-1103 679,-1116 719,-1116 720,-1117 720,-1046 729,-1037
  region net 5VDC: 2,-1721 42,-1721 42,-1751 67,-1776 147,-1776 147,-1831 146,-1830 2,-1830
  region net 3.3VDC: 238,-1522 286,-1522 398,-1634 398,-1795 315,-1795 259,-1739 62,-1739 62,-1686 61,-1685 200,-1685 238,-1641
  region net GND: 214,-1521 214,-1563 213,-1564 164,-1564 146,-1582 146,-1648 63,-1648 44,-1667 44,-1697 2,-1697 1,-1698 1,-1587 71,-1521
  region net GND: 824,-994.13 824,-1215 810,-1229 810,-1262 853,-1262 870,-1245 978,-1245 978,-1196.43 882,-1095.95 882,-993.02
  region net NetJ1_1: 1039,-1588 887,-1588 887,-1737 814.28,-1876 673,-1876 673,-2035 825,-2035 1039,-1737
  region net 12VDC: 752,-1439 752,-1369.21 759,-1369.21 759,-1314 810,-1314 810,-1291 849,-1291 849,-1312 990,-1312 990,-1439
Bottom Layer:
  region net GND: 556,-1438 556,-1398 471.95,-1398 453.41,-1418.32 454,-1550 520,-1550 520,-1453 535,-1438
  region net NetC1_1: 937,-1518 679,-1518 679,-1477 657,-1477 617,-1437 617,-1397 583,-1397 583,-1571.22 744.24,-1736 851,-1736 851,-1572 937,-1572

## Silkscreen, mask and mechanical layers (free items; w line width, h text height)
Mechanical 1:
  lines w0.5: 1574.91,-1082.57 1574.91,1082.79
Outline GPC:
  lines w0.5: -1574.69,-2224.3 -1574.69,1082.79 ; 1574.91,-2224.3 1574.91,1082.79 ; -1574.69,1082.79 1574.91,1082.79 ; -1574.69,1082.79 -1574.69,-4822.73 1574.91,-4822.73 1574.91,1082.79 ; -1574.69,1082.79 1574.91,1082.79
Outline Robocar:
  the board outline again, w0.5
Construction:
  circle w5: c-1240.12,-2066.82 r236.22
  circle w5: c-1417.21,-1051.07 r236.22
  circle w5: c-1417.21,917.43 r236.22
  circle w5: c1417.43,917.43 r236.22
  circle w5: c1417.43,-1051.07 r236.22
  circle w5: c1240.16,-2059.06 r236.22
  circle w5: c1417.43,-1051.07 r157.48
  circle w5: c-1417.21,-1051.07 r157.48
  circle w5: c1417.43,917.43 r157.48
  circle w5: c-1417.21,917.43 r157.48
  circle w5: c-1240.12,-2066.82 r157.48
  circle w5: c1240.34,-2066.82 r157.48
  lines w0.5: -1574.69,-2224.3 1574.91,1082.79 ; -1574.69,-1082.57 1574.91,-1082.57 ; -1574.69,0.11 1574.91,0.11 ; -1574.69,1082.79 1574.91,-2224.3 ; 0.11,-2224.3 0.11,1082.79 ; -1417.21,-1051.07 1417.43,-1051.07 ; -1417.21,-1051.07 -1240.12,-2066.82 1240.34,-2066.82 1417.43,-1051.07 ; -1417.21,-1051.07 -1417.21,917.43 1417.43,917.43 1417.43,-1051.07